# Altium PCB DM2097.PcbDoc (part 5 of 7)
Units mm, origin at the board's own origin, x right, y up, seen from the top; angles counter-clockwise.
Board outline 115 x 46 mm, 6 copper layers (Top Copper, GND 1, PWR, Signal Layer 1, GND 2, Bottom Copper), stack 1.599 mm thick; 405 components, 357 nets, 1577 pads, 915 vias.
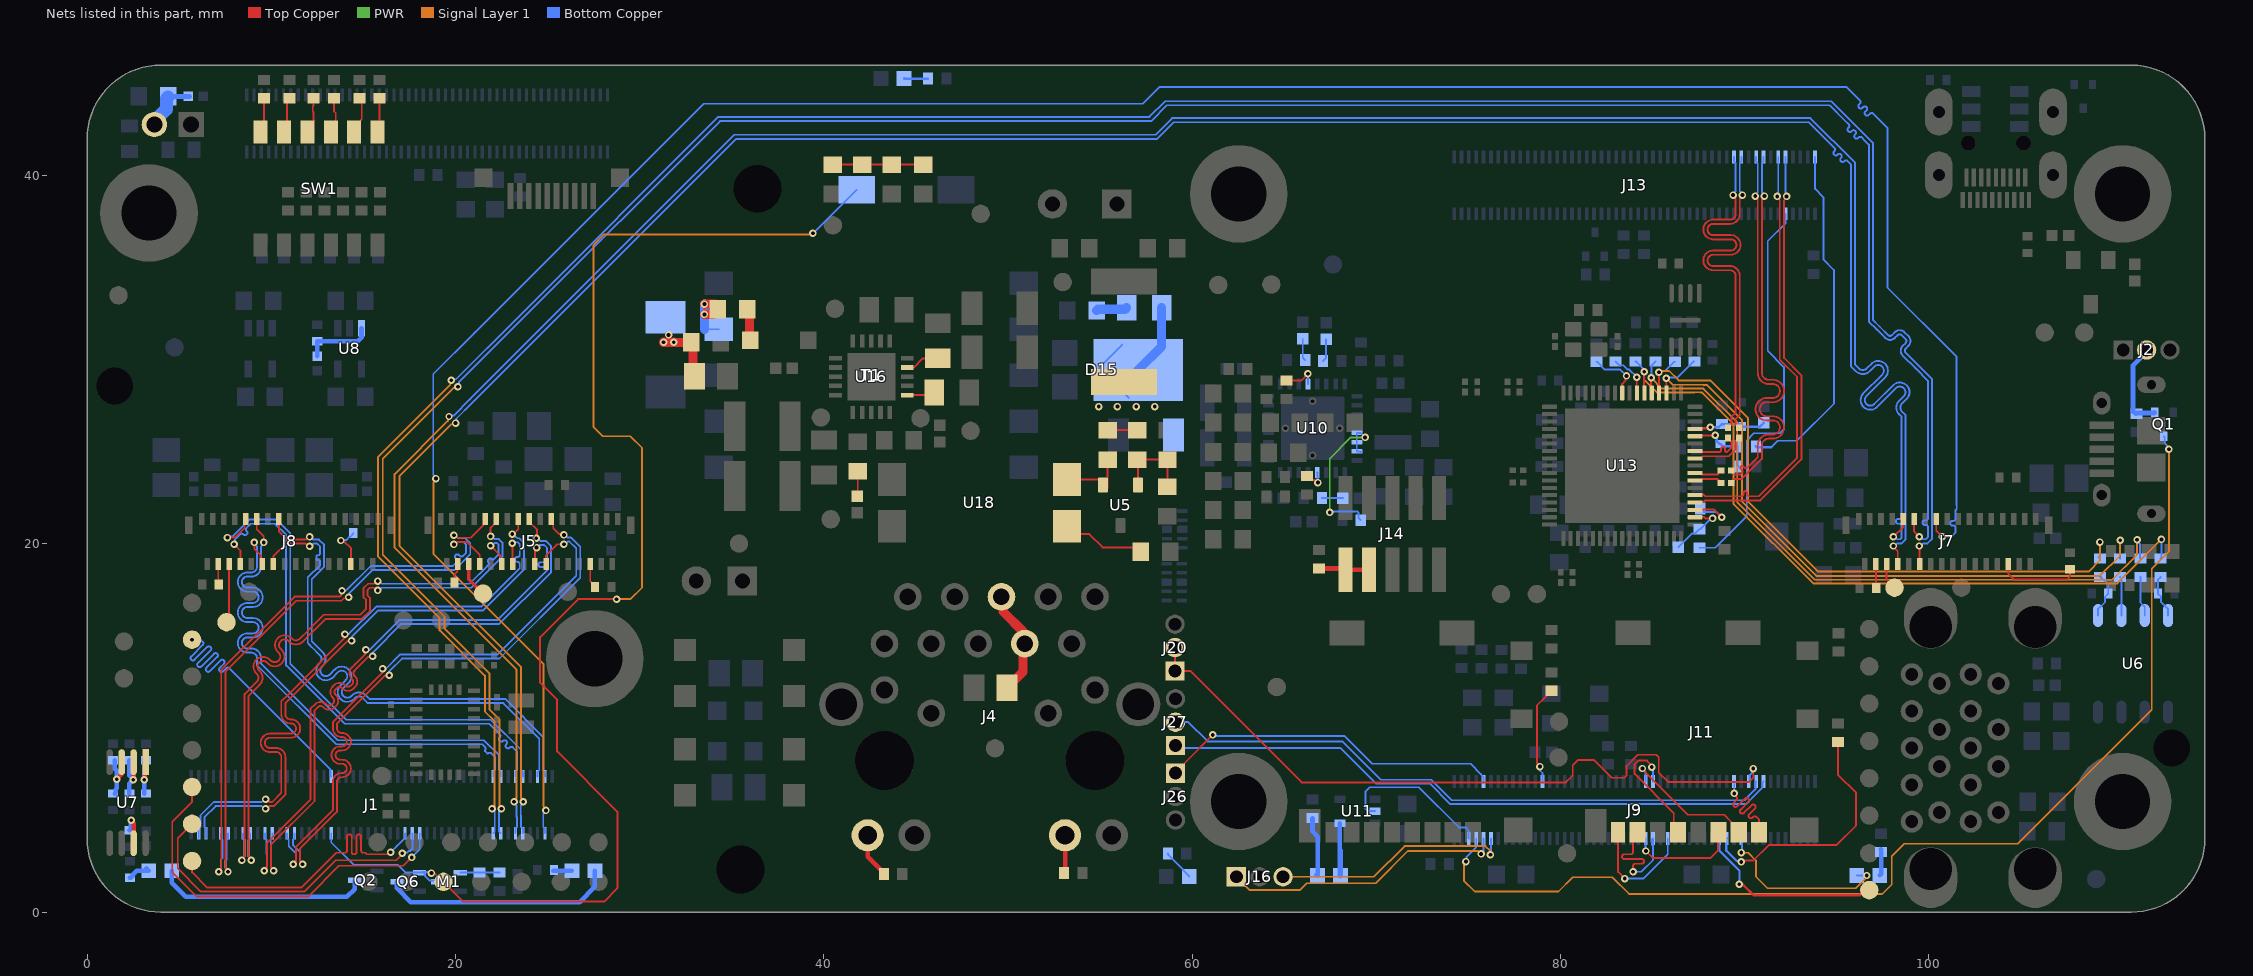
[diagram p9: the nets of this part, all layers, seen from the top]

## Via types
v1: diameter 0.406, hole 0.203, Top Copper to Bottom Copper, tented both sides, 888 vias
v2: diameter 0.508, hole 0.254, Top Copper to Bottom Copper, 24 vias
v3: diameter 0.406, hole 0.2, Top Copper to Bottom Copper, 2 vias
v4: diameter 0.406, hole 0.203, Top Copper to Bottom Copper, 1 vias

## Nets (pads, with @x,y where several pads share a name; then routed paths per layer and width w, separated by ;. In a path a pad name is that pad's centre, name@x,y a point inside that pad or via, vN(x,y) a via of type N, cw(c..) or ccw(c..) an arc to the next point about the centre after c; other vN are vias at no path point) (continued)
MIPI_RX2_C_P: J1.97 J7.19 | length 140.8
  Top Copper w0.102: J7.19@100.412,21.366 100.412,20.713 v1(100.73,20.395)
  Signal Layer 1 w0.102: v1(18.94,23.55) 18.94,23.468 18.814,23.342 18.814,19.439 24.788,13.465 24.788,11.469 24.788,5.738 24.914,5.612 v1(24.914,5.53)
  Bottom Copper w0.102: v1(18.94,23.55) 18.94,23.619 18.797,23.762 18.797,29.227 21.042,31.473 ; 21.043,31.473 33.473,43.903 57.313,43.903 58.219,44.81 95.54,44.81 96.062,44.288 96.098,44.252 96.275,44.075 cw(c96.194,43.993) 96.271,43.907 96.219,43.861 ccw(c96.296,43.776) 96.21,43.699 96.228,43.68 ccw(c96.313,43.757) 96.39,43.671 96.457,43.73 cw(c96.534,43.645) 96.62,43.722 96.637,43.702 cw(c96.551,43.626) 96.628,43.54 96.561,43.48 ccw(c96.638,43.394) 96.552,43.317 96.569,43.298 ccw(c96.655,43.375) 96.732,43.289 96.824,43.372 cw(c96.901,43.286) 96.982,43.368 97.391,42.959 97.428,42.922 97.762,42.588 97.762,33.924 101.517,30.169 101.517,22.105 101.524,22.098 101.524,21.897 101.462,21.835 101.462,21.675 101.462,21.368 cw(c101.347,21.368) 101.347,21.253 101.287,21.253 ccw(c101.287,21.138) 101.172,21.138 101.172,21.112 ccw(c101.287,21.112) 101.287,20.997 101.347,20.997 cw(c101.347,20.882) 101.462,20.882 101.462,20.628 101.459,20.625 101.229,20.395 v1(100.73,20.395) ; J1.97@24.86,4.288 24.86,4.548 24.771,4.637 24.771,5.318 24.914,5.461 v1(24.914,5.53)
MIPI_RX2_D0_N: J1.89 J7.26 | length 139.8
  Top Copper w0.102: v1(98.09,19.887) 98.09,19.843 98.32,19.614 J7.26@98.32,18.916
  Signal Layer 1 w0.102: v1(19.651,26.919) 19.592,26.861 19.592,26.683 16.7,23.791 16.7,19.8 23.308,13.192 23.308,10.855 23.308,6.208 23.182,6.082 v1(23.182,6)
  Bottom Copper w0.102: v1(19.651,26.919) 19.699,26.968 19.902,26.968 20.785,27.851 35.152,42.218 58.017,42.218 58.919,43.12 93.581,43.12 96.004,40.697 96.004,29.736 96.097,29.643 96.21,29.53 ccw(c96.425,29.743) 96.639,29.53 96.926,29.816 96.929,29.816 cw(c97.264,29.413) 97.635,29.784 ; v1(23.182,6) 23.182,5.931 23.325,5.788 23.325,5.175 23.349,5.151 23.349,4.637 23.26,4.548 J1.89@23.26,4.288 ; 97.636,29.783 cw(c97.264,29.413) 97.635,29.042 96.62,28.027 ccw(c96.833,27.812) 96.619,27.598 ccw(c96.833,27.812) 97.048,27.598 98.096,28.646 98.099,28.646 cw(c98.434,28.243) 98.804,28.614 ; v1(98.09,19.887) 98.159,19.887 98.302,20.03 98.537,20.03 98.751,20.243 98.751,26.336 98.751,26.989 98.621,27.119 98.551,27.189 cw(c98.765,27.404) 98.551,27.618 98.804,27.872 ccw(c98.434,28.243) 98.806,28.613
MIPI_RX2_D0_P: J1.91 J7.25 | length 139.8
  Top Copper w0.102: v1(98.09,20.395) 98.612,20.917 J7.25@98.612,21.366
  Signal Layer 1 w0.102: v1(20.01,26.56) 19.952,26.502 19.774,26.502 16.957,23.684 16.957,19.906 23.564,13.299 23.564,6.208 23.69,6.082 v1(23.69,6)
  Bottom Copper w0.102: v1(20.01,26.56) 20.059,26.609 20.059,26.811 20.877,27.63 35.244,41.997 58.109,41.997 59.01,42.898 93.489,42.898 94.036,42.352 94.631,41.756 94.667,41.72 94.89,41.498 cw(c94.808,41.416) 94.891,41.336 94.862,41.306 ccw(c94.945,41.226) 94.865,41.144 94.883,41.126 ccw(c94.963,41.208) 95.046,41.128 95.068,41.151 cw(c95.15,41.071) 95.23,41.154 95.249,41.136 cw(c95.169,41.053) 95.251,40.973 95.229,40.951 ccw(c95.312,40.871) 95.232,40.788 95.25,40.77 ccw(c95.33,40.853) 95.413,40.773 95.431,40.791 cw(c95.513,40.711) 95.595,40.793 95.695,40.692 95.731,40.656 95.782,40.605 95.782,29.644 95.94,29.487 96.053,29.373 ccw(c96.425,29.743) 96.796,29.373 97.049,29.626 ; J1.91@23.66,4.288 23.66,4.548 23.571,4.637 23.571,5.243 23.547,5.267 23.547,5.788 23.69,5.931 v1(23.69,6) ; 97.05,29.627 cw(c97.264,29.413) 97.478,29.627 cw(c97.264,29.413) 97.478,29.198 96.43,28.15 96.43,28.147 ccw(c96.833,27.812) 96.461,27.442 ccw(c96.833,27.812) 96.462,27.441 ccw(c96.833,27.812) 96.464,27.44 ccw(c96.833,27.812) 97.205,27.442 98.219,28.456 cw(c98.434,28.243) 98.648,28.457 cw(c98.434,28.243) 98.648,28.028 ; v1(98.09,20.395) 98.159,20.395 98.302,20.252 98.446,20.252 98.529,20.335 98.529,20.932 98.529,20.983 ccw(c98.414,20.983) 98.414,21.098 98.333,21.098 cw(c98.333,21.213) 98.218,21.213 98.218,21.239 cw(c98.333,21.239) 98.333,21.354 98.414,21.354 ccw(c98.414,21.469) 98.529,21.469 98.529,21.65 98.529,26.114 98.529,26.898 98.395,27.032 cw(c98.765,27.404) 98.394,27.775 98.648,28.028
MIPI_RX2_D1_N: J1.83 J7.22 | length 139.1
  Top Copper w0.102: v1(99.49,19.887) 99.505,19.872 99.505,18.931 J7.22@99.52,18.916
  Signal Layer 1 w0.102: v1(19.78,28.89) 19.722,28.832 19.722,28.654 15.8,24.732 15.8,19.305 19.143,15.961 19.143,15.307 21.6,12.85 21.6,10.9 22.132,10.368 22.132,5.765 v1(21.992,5.625)
  Bottom Copper w0.102: v1(19.78,28.89) 19.829,28.939 20.031,28.939 23.383,32.291 34.277,43.185 57.683,43.185 58.538,44.04 94.71,44.04 96.976,41.774 96.976,32.162 97.332,31.807 97.795,31.343 ; v1(21.992,5.625) 22.135,5.482 22.135,4.363 J1.83@22.06,4.288 ; 97.795,31.343 ccw(c97.903,31.45) 98.01,31.343 ; 98.011,31.343 98.161,31.494 cw(c98.425,31.23) 98.652,31.527 98.656,31.527 98.935,31.248 98.935,31.243 cw(c98.639,31.016) 98.902,30.752 98.752,30.602 ccw(c98.859,30.494) 98.752,30.387 99.451,29.688 100.184,28.955 100.184,20.276 99.937,20.03 99.702,20.03 99.559,19.887 v1(99.49,19.887)
MIPI_RX2_D1_P: J1.85 J7.23 | length 139.2
  Top Copper w0.102: J7.23@99.212,21.366 99.212,20.673 v1(99.49,20.395)
  Signal Layer 1 w0.102: v1(20.139,28.531) 20.081,28.472 19.903,28.472 16.057,24.626 16.057,19.411 19.4,16.068 19.4,15.413 21.857,12.956 21.857,11.006 22.388,10.475 22.388,5.737 v1(22.5,5.625)
  Bottom Copper w0.102: v1(20.139,28.531) 20.188,28.579 20.188,28.782 23.475,32.069 34.369,42.963 57.775,42.963 58.629,43.818 94.618,43.818 95.443,42.993 95.66,42.777 cw(c95.579,42.695) 95.66,42.614 95.628,42.582 ccw(c95.709,42.501) 95.628,42.419 95.646,42.401 ccw(c95.727,42.483) 95.809,42.401 95.841,42.433 cw(c95.922,42.352) 96.003,42.433 96.021,42.415 cw(c95.94,42.334) 96.021,42.253 95.989,42.22 ccw(c96.071,42.139) 95.989,42.058 96.008,42.04 ccw(c96.089,42.121) 96.17,42.04 96.202,42.072 cw(c96.284,41.99) 96.365,42.072 96.506,41.931 96.755,41.682 96.755,32.07 97.175,31.65 97.638,31.187 ccw(c97.903,31.45) 98.167,31.187 98.317,31.337 cw(c98.425,31.23) 98.533,31.337 ; J1.85@22.46,4.288 22.357,4.391 22.357,5.482 v1(22.5,5.625) ; 98.533,31.337 98.745,31.124 cw(c98.639,31.016) 98.747,30.909 ; 98.746,30.909 98.595,30.758 ccw(c98.859,30.494) 98.596,30.229 99.294,29.531 99.962,28.863 99.962,21.7 99.962,21.394 cw(c99.847,21.394) 99.847,21.279 99.787,21.279 ccw(c99.787,21.164) 99.672,21.164 99.672,21.138 ccw(c99.787,21.138) 99.787,21.023 99.847,21.023 cw(c99.847,20.908) 99.962,20.908 99.962,20.625 99.962,20.368 99.846,20.252 99.702,20.252 99.559,20.395 v1(99.49,20.395)
MIPI_RX3_C_N: J1.96 J8.20 | length 28.8
  Top Copper w0.102: J8.20@10.12,18.916 10.12,19.343 10.792,20.015 11.868,20.015 12.011,19.872 v1(12.08,19.872)
  Bottom Copper w0.102: v1(12.08,19.872) 12.149,19.872 12.292,20.015 12.491,20.015 12.647,19.86 12.647,19.825 12.647,19.485 cw(c12.545,19.485) 12.545,19.383 12.515,19.383 ccw(c12.515,19.319) 12.451,19.319 12.451,19.191 ccw(c12.515,19.191) 12.515,19.127 12.545,19.127 cw(c12.545,19.026) 12.647,19.026 12.647,18.975 12.647,18.851 11.978,18.183 11.978,14.622 12.096,14.504 12.21,14.39 ; 12.211,14.389 12.635,13.965 ; 12.592,13.492 ccw(c12.962,13.121) 12.59,12.751 ccw(c12.962,13.121) 12.591,12.75 ccw(c12.962,13.121) 12.592,12.749 ccw(c12.962,13.121) 13.297,12.718 13.301,12.718 13.611,13.028 cw(c13.826,12.815) 14.04,13.029 cw(c13.826,12.815) 14.04,12.601 ; 12.592,13.492 12.635,13.535 ; 12.635,13.536 ccw(c12.422,13.75) 12.635,13.965 ; 14.04,12.6 13.762,12.322 ccw(c14.132,11.951) 13.76,11.581 ccw(c14.132,11.951) 13.761,11.58 ccw(c14.132,11.951) 13.762,11.579 ccw(c14.132,11.951) 14.467,11.548 14.47,11.548 14.547,11.624 cw(c14.761,11.41) 14.975,11.625 ; 14.976,11.624 15.09,11.51 15.242,11.358 22.601,11.358 24.549,9.41 24.549,7.717 24.46,7.628 J1.96@24.46,7.368
MIPI_RX3_C_P: J1.98 J8.19 | length 28.8
  Top Copper w0.102: J8.19@10.412,21.366 10.412,20.68 10.856,20.237 11.868,20.237 12.011,20.38 v1(12.08,20.38)
  Bottom Copper w0.102: v1(12.08,20.38) 12.149,20.38 12.292,20.237 12.583,20.237 12.869,19.951 12.869,18.76 12.2,18.091 12.2,14.713 12.253,14.66 12.367,14.546 ; 12.368,14.546 12.792,14.122 cw(c12.422,13.75) 12.792,13.379 12.749,13.336 ccw(c12.962,13.121) 12.748,12.907 ccw(c12.962,13.121) 13.177,12.907 13.455,13.185 cw(c13.826,12.815) 14.196,13.186 ; 14.198,13.185 cw(c13.826,12.815) 14.23,12.48 14.23,12.477 13.919,12.166 ccw(c14.132,11.951) 13.918,11.737 ccw(c14.132,11.951) 14.346,11.737 14.39,11.781 cw(c14.761,11.41) 15.133,11.781 15.246,11.667 15.333,11.58 22.693,11.58 24.771,9.502 24.771,7.717 24.86,7.628 J1.98@24.86,7.368
MIPI_RX3_D0_N: J1.90 J8.26 | length 28.8
  Top Copper w0.102: v1(7.979,19.988) 8.325,19.642 8.325,18.922 J8.26@8.32,18.916
  Bottom Copper w0.102: v1(7.979,19.988) 8.028,20.037 8.028,20.239 8.094,20.306 8.311,20.523 cw(c8.392,20.441) 8.473,20.523 8.491,20.505 ccw(c8.573,20.586) 8.654,20.505 8.672,20.523 ccw(c8.591,20.604) 8.672,20.686 8.654,20.703 cw(c8.736,20.785) 8.654,20.866 8.794,21.006 8.887,21.098 10.193,21.098 10.807,20.485 10.807,13.405 13.98,10.232 21.835,10.232 22.186,9.88 22.403,9.664 cw(c22.313,9.573) 22.403,9.483 22.398,9.478 ccw(c22.489,9.388) 22.398,9.297 ccw(c22.489,9.388) 22.579,9.297 22.584,9.302 cw(c22.674,9.212) 22.764,9.302 cw(c22.674,9.212) 22.764,9.121 22.76,9.117 ccw(c22.85,9.026) 22.76,8.936 ccw(c22.85,9.026) 22.94,8.936 22.945,8.941 cw(c23.036,8.85) 23.126,8.941 23.271,8.796 23.349,8.717 23.349,7.717 23.26,7.628 J1.90@23.26,7.368
MIPI_RX3_D0_P: J1.92 J8.25 | length 28.8
  Top Copper w0.102: v1(7.62,20.348) 8.022,20.348 8.562,20.888 8.562,21.316 J8.25@8.612,21.366
  Bottom Copper w0.102: v1(7.62,20.348) 7.669,20.396 7.871,20.396 8.795,21.32 10.285,21.32 11.028,20.577 11.028,13.497 14.072,10.453 21.927,10.453 23.571,8.809 23.571,7.717 23.66,7.628 J1.92@23.66,7.368
MIPI_RX3_D1_N: J1.84 J8.22 | length 28.8
  Top Copper w0.102: v1(9.082,20.083) 9.082,19.735 9.424,19.393 9.424,19.011 J8.22@9.52,18.916
  Bottom Copper w0.102: v1(9.082,20.083) 9.082,20.014 9.226,19.871 9.226,19.453 9.226,18.757 cw(c8.923,18.757) 8.923,18.454 8.705,18.454 ccw(c8.705,17.93) 8.181,17.93 ccw(c8.705,17.93) 8.705,17.405 9.013,17.405 cw(c9.013,17.103) 9.315,17.103 cw(c9.013,17.103) 9.013,16.8 8.705,16.8 ccw(c8.705,16.275) 8.181,16.275 ccw(c8.705,16.275) 8.705,15.751 9.013,15.751 cw(c9.013,15.448) 9.315,15.448 cw(c9.013,15.448) 9.013,15.145 8.705,15.145 ccw(c8.705,14.621) 8.181,14.621 ccw(c8.705,14.621) 8.705,14.097 8.923,14.097 cw(c8.923,13.794) 9.226,13.794 9.226,13.632 9.226,13.411 13.518,9.118 21.343,9.118 21.452,9.118 21.612,8.958 cw(c21.54,8.886) 21.612,8.814 21.61,8.812 ccw(c21.646,8.776) 21.61,8.74 21.718,8.631 ccw(c21.755,8.667) 21.791,8.631 21.793,8.633 cw(c21.865,8.562) 21.937,8.633 21.973,8.598 22.149,8.421 22.149,7.717 22.06,7.628 J1.84@22.06,7.368
MIPI_RX3_D1_P: J1.86 J8.23 | length 28.7
  Top Copper w0.102: J8.23@9.212,21.366 9.212,20.785 9.59,20.407 v1(9.59,20.083)
  Bottom Copper w0.102: v1(9.59,20.083) 9.59,20.014 9.447,19.871 9.447,19.453 9.447,18.757 cw(c8.923,18.757) 8.923,18.233 8.705,18.233 ccw(c8.705,17.93) 8.402,17.93 ccw(c8.705,17.93) 8.705,17.627 9.013,17.627 cw(c9.013,17.103) 9.537,17.103 cw(c9.013,17.103) 9.013,16.578 8.705,16.578 ccw(c8.705,16.275) 8.402,16.275 ccw(c8.705,16.275) 8.705,15.973 9.013,15.973 cw(c9.013,15.448) 9.537,15.448 cw(c9.013,15.448) 9.013,14.924 8.705,14.924 ccw(c8.705,14.621) 8.402,14.621 ccw(c8.705,14.621) 8.705,14.318 8.923,14.318 cw(c8.923,13.794) 9.447,13.794 9.447,13.632 9.447,13.503 13.61,9.34 21.543,9.34 22.371,8.513 22.371,7.717 22.46,7.628 J1.86@22.46,7.368
MIPI_RX4_C_N: J1.3 J5.20 | length 33.4
  Top Copper w0.102: v1(9.69,6.128) 9.759,6.128 9.902,5.985 10.05,5.985 10.543,6.478 10.543,8.26 10.543,8.421 ccw(c10.265,8.421) 10.265,8.699 9.927,8.699 cw(c9.927,9.199) 9.927,9.698 11.071,9.698 ccw(c11.071,9.976) 11.071,10.254 11.042,10.254 cw(c11.042,10.753) 10.543,10.753 10.543,11.446 10.946,11.849 10.997,11.9 14,14.903 v1(14,15.1) ; v1(23.09,20.03) 23.105,20.015 23.105,18.931 J5.20@23.12,18.916
  Bottom Copper w0.102: J1.3@6.06,4.028 J1.3@6.06,4.288 6.06,4.548 6.149,4.637 6.149,5.253 6.881,5.985 9.478,5.985 9.621,6.128 v1(9.69,6.128) ; v1(14,15.1) 14.19,15.1 14.204,15.115 14.212,15.115 15.697,16.6 21.404,16.6 23.492,18.688 23.492,18.85 23.492,18.901 ccw(c23.365,18.901) 23.365,19.029 23.346,19.029 cw(c23.346,19.156) 23.346,19.284 23.365,19.284 ccw(c23.365,19.412) 23.492,19.412 23.492,19.7 23.492,19.983 23.386,20.089 23.302,20.089 ; v1(23.09,20.03) 23.148,20.088 23.301,20.088
MIPI_RX4_C_P: J1.5 J5.19 | length 33.5
  Top Copper w0.102: v1(9.69,5.62) 9.759,5.62 9.902,5.763 10.141,5.763 10.765,6.386 10.765,8.26 10.765,8.421 ccw(c10.265,8.421) 10.265,8.921 9.927,8.921 cw(c9.927,9.199) 9.927,9.476 11.071,9.476 ccw(c11.071,9.976) 11.071,10.475 11.042,10.475 cw(c11.042,10.753) 10.765,10.753 10.765,11.354 11.103,11.693 11.31,11.9 14.136,14.726 14.155,14.726 14.264,14.836 v1(14.359,14.741) ; v1(23.09,20.538) 23.16,20.538 23.412,20.791 J5.19@23.412,21.366
  Bottom Copper w0.102: J1.5@6.46,4.028 J1.5@6.46,4.288 6.46,4.548 6.371,4.637 6.371,5.161 6.973,5.763 9.478,5.763 9.621,5.62 v1(9.69,5.62) ; v1(14.359,14.741) 14.264,14.836 14.374,14.945 14.374,14.964 15.789,16.378 21.496,16.378 23.714,18.597 23.714,18.85 23.714,20.074 23.478,20.311 23.366,20.311 23.138,20.538 v1(23.09,20.538)
MIPI_RX4_D0_N: J1.9 J5.26 | length 33.1
  Top Copper w0.102: v1(7.142,2.2) 7.142,2.269 7.285,2.412 7.285,13.159 11.264,17.137 13.722,17.137 13.792,17.208 13.792,17.411 v1(13.841,17.459) ; v1(19.919,19.969) 19.988,19.969 20.131,20.112 20.615,20.112 21.32,19.408 J5.26@21.32,18.916
  Bottom Copper w0.102: v1(7.142,2.2) 7.142,2.269 7.285,2.412 7.285,2.879 7.349,2.943 7.349,3.939 7.26,4.028 J1.9@7.26,4.288 ; v1(13.841,17.459) 14.056,17.459 15.399,18.802 19.858,18.802 20.016,18.959 20.052,18.995 ccw(c19.961,19.085) 20.052,19.176 20.012,19.215 cw(c20.102,19.306) 20.012,19.396 cw(c20.102,19.306) 20.193,19.396 20.232,19.357 ccw(c20.323,19.447) 20.413,19.357 20.58,19.523 20.58,19.82 20.58,19.945 20.413,20.112 20.131,20.112 19.988,19.969 v1(19.919,19.969)
MIPI_RX4_D0_P: J1.11 J5.25 | length 33
  Top Copper w0.102: v1(7.65,2.2) 7.65,2.269 7.507,2.412 7.507,13.067 11.356,16.916 13.813,16.916 13.949,17.051 14.151,17.051 v1(14.2,17.1) ; v1(19.919,20.477) 19.988,20.477 20.131,20.334 20.829,20.334 21.513,21.018 21.513,21.267 J5.25@21.612,21.366
  Bottom Copper w0.102: v1(7.65,2.2) 7.65,2.269 7.507,2.412 7.507,2.788 7.571,2.852 7.571,3.939 7.66,4.028 J1.11@7.66,4.288 ; 14.215,17.304 15.49,18.58 19.95,18.58 20.802,19.432 20.802,20.037 20.505,20.334 20.131,20.334 19.988,20.477 v1(19.919,20.477)
MIPI_RX4_D1_N: J1.15 J5.22 | length 33.2
  Top Copper w0.102: v1(8.405,2.822) 8.405,2.891 8.548,3.034 8.548,11.848 9.1,12.4 9.214,12.514 ; 9.184,13.713 ccw(c9.556,13.343) 9.185,12.972 9.214,12.943 ; 9.185,13.714 cw(c9.555,13.343) 9.927,13.713 9.972,13.668 ccw(c10.187,13.881) 10.401,13.667 ccw(c10.187,13.881) 10.401,14.096 10.355,14.142 cw(c10.725,14.513) 10.354,14.883 ; 9.214,12.514 ccw(c9,12.728) 9.214,12.943 ; 10.355,14.884 cw(c10.725,14.513) 11.097,14.883 11.125,14.855 ccw(c11.34,15.068) 11.554,14.854 ; 11.555,14.855 11.998,15.298 ; 11.999,15.299 12.113,15.412 12.854,16.154 14.829,16.154 15.149,16.474 15.149,16.963 15.006,17.105 15.006,17.594 15.252,17.839 15.575,17.839 15.718,17.983 v1(15.787,17.983) ; v1(21.91,19.9) 22.42,19.39 22.42,19.015 J5.22@22.52,18.916
  Bottom Copper w0.102: v1(8.405,2.822) 8.405,2.891 8.548,3.034 8.548,3.386 8.549,3.387 8.549,3.939 8.46,4.028 J1.15@8.46,4.288 ; v1(15.787,17.983) 15.856,17.983 15.999,17.839 16.798,17.839 20.764,17.84 21.75,18.825 21.785,18.861 ccw(c21.714,18.933) 21.785,19.005 21.779,19.011 cw(c21.842,19.075) 21.779,19.138 21.833,19.192 cw(c21.897,19.129) 21.96,19.192 21.966,19.186 ccw(c22.038,19.258) 22.11,19.186 22.275,19.35 22.329,19.405 22.329,19.984 22.27,20.043 22.122,20.043 21.979,19.9 v1(21.91,19.9)
MIPI_RX4_D1_P: J1.17 J5.23 | length 33.2
  Top Copper w0.102: v1(8.913,2.822) 8.913,2.891 8.77,3.034 8.77,11.756 9.257,12.243 9.37,12.357 ccw(c9,12.728) 9.37,13.1 9.342,13.128 ; 9.342,13.128 cw(c9.556,13.343) 9.341,13.557 cw(c9.555,13.343) 9.77,13.557 9.816,13.51 ccw(c10.187,13.881) 10.557,13.51 ; 10.512,14.298 cw(c10.725,14.513) 10.511,14.727 cw(c10.725,14.513) 10.94,14.726 10.968,14.698 ccw(c11.34,15.068) 11.711,14.698 12.155,15.141 ; 10.512,14.298 10.557,14.253 cw(c10.187,13.881) 10.558,13.511 ; 12.155,15.142 12.269,15.256 12.946,15.933 14.921,15.933 15.37,16.382 15.37,17.054 15.228,17.197 15.228,17.502 15.344,17.618 15.575,17.618 15.718,17.475 v1(15.787,17.475) ; v1(21.91,20.408) 21.91,20.889 22.212,21.191 J5.23@22.212,21.366
  Bottom Copper w0.102: J1.17@8.86,4.288 8.86,4.028 8.771,3.939 8.771,3.295 8.77,3.294 8.77,3.034 8.913,2.891 v1(8.913,2.822) ; v1(15.787,17.475) 15.856,17.475 15.999,17.618 16.89,17.618 ; 16.891,17.619 20.856,17.619 22.551,19.313 22.551,20.075 22.361,20.265 22.122,20.265 21.979,20.408 v1(21.91,20.408)
MIPI_RX5_D0_N: J1.21 J5.16 | length 33.2
  Top Copper w0.102: v1(9.617,2.25) 9.617,2.319 9.76,2.462 9.76,3.754 12.126,6.119 12.126,10.649 12.126,11.041 12.379,11.295 cw(c12.68,10.996) 12.943,11.328 12.947,11.328 12.979,11.297 cw(c12.68,10.996) 12.98,11.295 12.999,11.276 ccw(c13.142,11.419) 13.286,11.276 13.356,11.347 ; 13.356,11.634 13.335,11.656 cw(c13.634,11.956) 13.334,12.256 13.405,12.327 cw(c13.705,12.028) 14.005,12.327 ; 13.357,11.347 ccw(c13.214,11.49) 13.357,11.633 ; 14.006,12.326 14.027,12.305 ccw(c14.171,12.447) 14.314,12.305 14.385,12.375 ccw(c14.242,12.519) 14.385,12.662 ; 14.365,13.281 ccw(c14.665,12.981) 14.366,12.681 14.385,12.663 ; 14.366,13.282 14.48,13.395 14.527,13.443 15.092,14.008 15.092,14.211 v1(15.141,14.259) ; J5.16@24.32,18.916 24.32,19.635 24.405,19.72 v1(24.405,19.802)
  Bottom Copper w0.102: v1(9.617,2.25) 9.617,2.319 9.76,2.462 9.76,3.153 9.749,3.164 9.749,3.939 9.66,4.028 J1.21@9.66,4.288 ; v1(15.141,14.259) 15.343,14.259 16.894,15.81 16.959,15.875 22.288,15.875 24.853,18.441 24.977,18.564 24.977,18.619 ccw(c24.849,18.619) 24.849,18.747 24.631,18.747 cw(c24.631,18.875) 24.631,19.003 24.849,19.003 ccw(c24.849,19.131) 24.977,19.131 24.977,19.661 24.977,19.778 24.81,19.946 24.617,19.946 24.474,19.802 v1(24.405,19.802)
MIPI_RX5_D0_P: J1.23 J5.17 | length 33.1
  Top Copper w0.102: v1(10.125,2.25) 10.125,2.319 9.982,2.462 9.982,3.662 12.347,6.028 12.347,10.428 12.347,10.95 12.536,11.138 ; 12.536,11.139 cw(c12.68,10.996) 12.823,11.138 12.842,11.12 ccw(c13.142,11.419) 13.443,11.12 13.513,11.19 ccw(c13.214,11.49) 13.513,11.79 13.491,11.812 ; 13.491,11.813 cw(c13.634,11.956) 13.491,12.099 ; 13.491,12.1 13.561,12.17 cw(c13.705,12.028) 13.848,12.171 ; 13.849,12.17 13.871,12.148 ccw(c14.171,12.447) 14.471,12.148 14.541,12.218 ; 14.522,12.838 cw(c14.665,12.981) 14.522,13.125 ; 14.523,12.838 14.541,12.819 ; 14.523,13.125 14.619,13.221 14.636,13.239 15.249,13.851 15.451,13.851 v1(15.5,13.9) ; 14.541,12.218 ccw(c14.242,12.519) 14.542,12.819 ; J5.17@24.012,21.366 24.012,21.191 24.437,20.766 24.437,20.354 v1(24.394,20.31)
  Bottom Copper w0.102: J1.23@10.06,4.288 10.06,4.028 9.971,3.939 9.971,3.256 9.982,3.245 9.982,2.462 10.125,2.319 v1(10.125,2.25) ; v1(15.5,13.9) 15.5,14.103 17.051,15.653 22.379,15.653 25.01,18.284 25.199,18.473 25.199,19.87 24.901,20.167 24.605,20.167 24.462,20.31 v1(24.394,20.31)
MIPI_RX5_D1_N: J1.27 J5.14 | length 33.2
  Top Copper w0.102: v1(11.192,2.6) 11.335,2.743 11.335,3.532 12.556,4.753 13.343,5.539 13.343,6.375 13.343,7.08 cw(c13.817,7.08) 13.817,7.554 13.846,7.554 ccw(c13.846,7.807) 14.099,7.807 ccw(c13.846,7.807) 13.846,8.06 13.743,8.06 cw(c13.743,8.534) 13.268,8.534 cw(c13.743,8.534) 13.743,9.008 13.846,9.008 ccw(c13.846,9.261) 14.099,9.261 ccw(c13.846,9.261) 13.846,9.514 13.817,9.514 cw(c13.817,9.988) 13.343,9.988 13.343,10.15 13.343,10.32 16.043,13.019 v1(16.043,13.222) ; J5.14@24.92,18.916 24.92,19.38 25.519,19.979 v1(25.889,19.979)
  Bottom Copper w0.102: J1.27@10.86,4.288 10.86,4.028 10.949,3.939 10.949,3.583 11.335,3.197 11.335,2.812 11.192,2.669 v1(11.192,2.6) ; v1(16.043,13.222) 16.23,13.222 17.008,14 22.301,14 26.56,18.259 26.56,19.757 26.195,20.122 26.101,20.122 25.958,19.979 v1(25.889,19.979)
MIPI_RX5_D1_P: J1.29 J5.13 | length 33.1
  Top Copper w0.102: v1(11.7,2.6) 11.566,2.734 11.566,2.755 11.557,2.764 11.557,3.44 13.565,5.448 13.565,6.375 13.565,7.08 cw(c13.817,7.08) 13.817,7.332 13.846,7.332 ccw(c13.846,7.807) 14.321,7.807 ccw(c13.846,7.807) 13.846,8.281 13.743,8.281 cw(c13.743,8.534) 13.49,8.534 cw(c13.743,8.534) 13.743,8.787 13.846,8.787 ccw(c13.846,9.261) 14.321,9.261 ccw(c13.846,9.261) 13.846,9.736 13.817,9.736 cw(c13.817,9.988) 13.565,9.988 13.565,10.15 13.565,10.228 16.199,12.863 v1(16.402,12.863) ; J5.13@25.212,21.366 25.311,21.267 25.311,20.86 25.637,20.534 25.842,20.534 v1(25.889,20.487)
  Bottom Copper w0.102: J1.29@11.26,4.288 11.26,4.028 11.171,3.939 11.171,3.675 11.557,3.289 11.557,2.812 11.7,2.669 v1(11.7,2.6) ; v1(16.402,12.863) 16.402,13.08 17.1,13.778 22.393,13.778 26.782,18.167 26.782,19.848 26.287,20.343 26.101,20.343 25.958,20.487 v1(25.889,20.487)